# Altium PCB main布局完成.PcbDoc
Units mm, origin at the board's own origin, x right, y up, seen from the top; angles counter-clockwise.
Board outline 55.75 x 28.83 mm, 4 copper layers (Top Layer, GND, POWER, Bottom Layer), stack 0.603 mm thick; 89 components, 72 nets, 344 pads, 9 vias.
Unrouted connection lines stored in the file: 235.
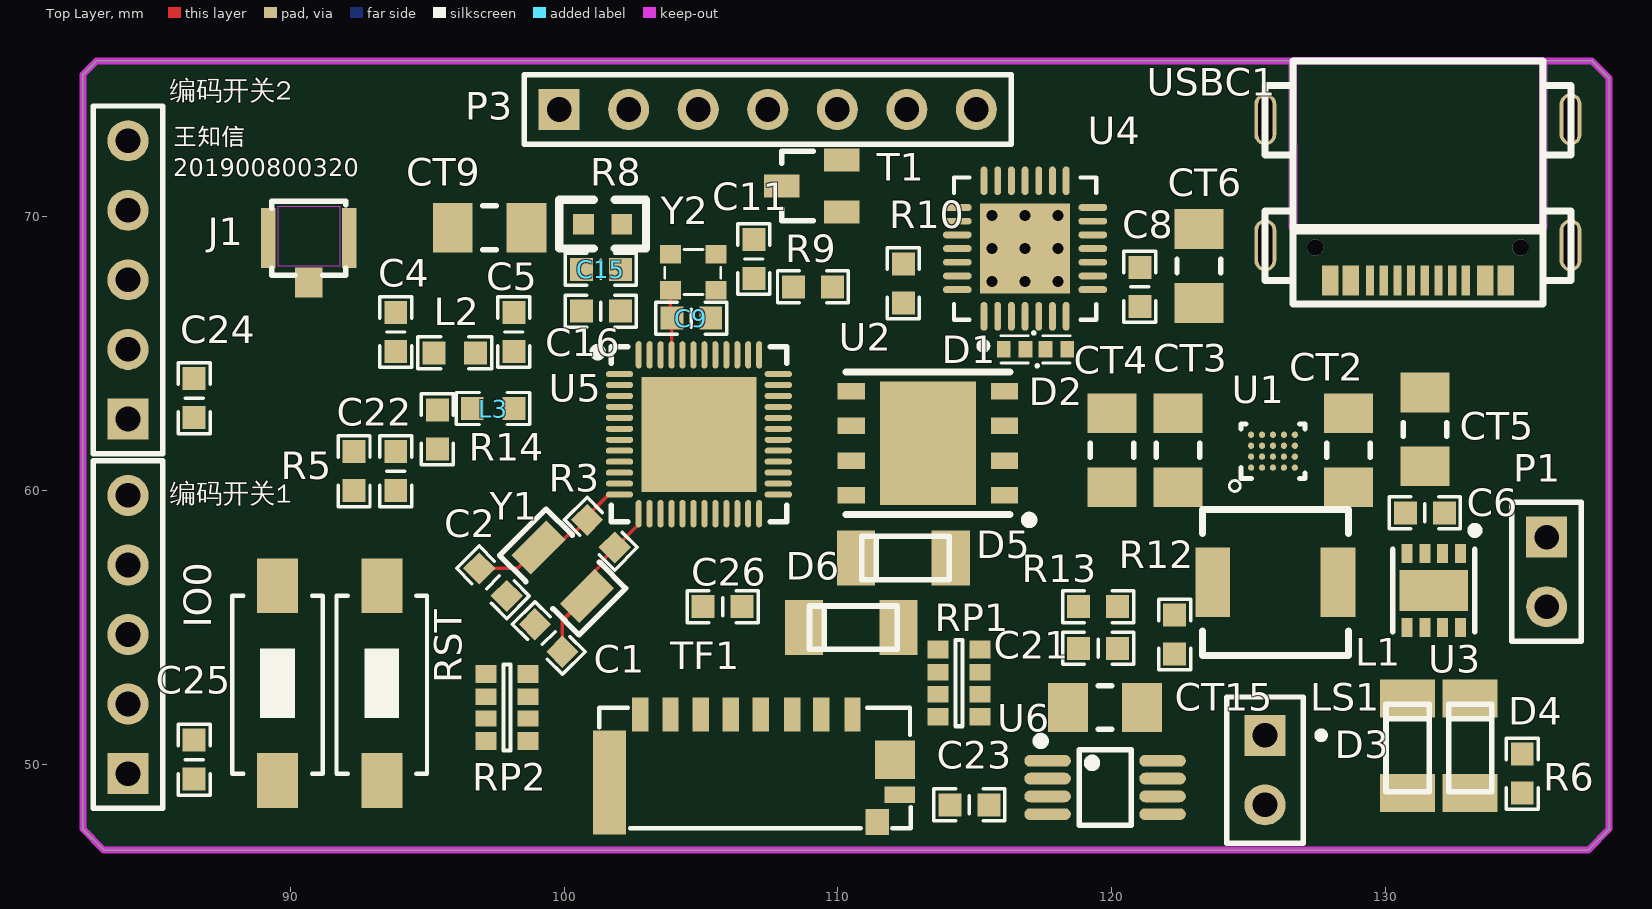
[diagram p0: Top Layer view]
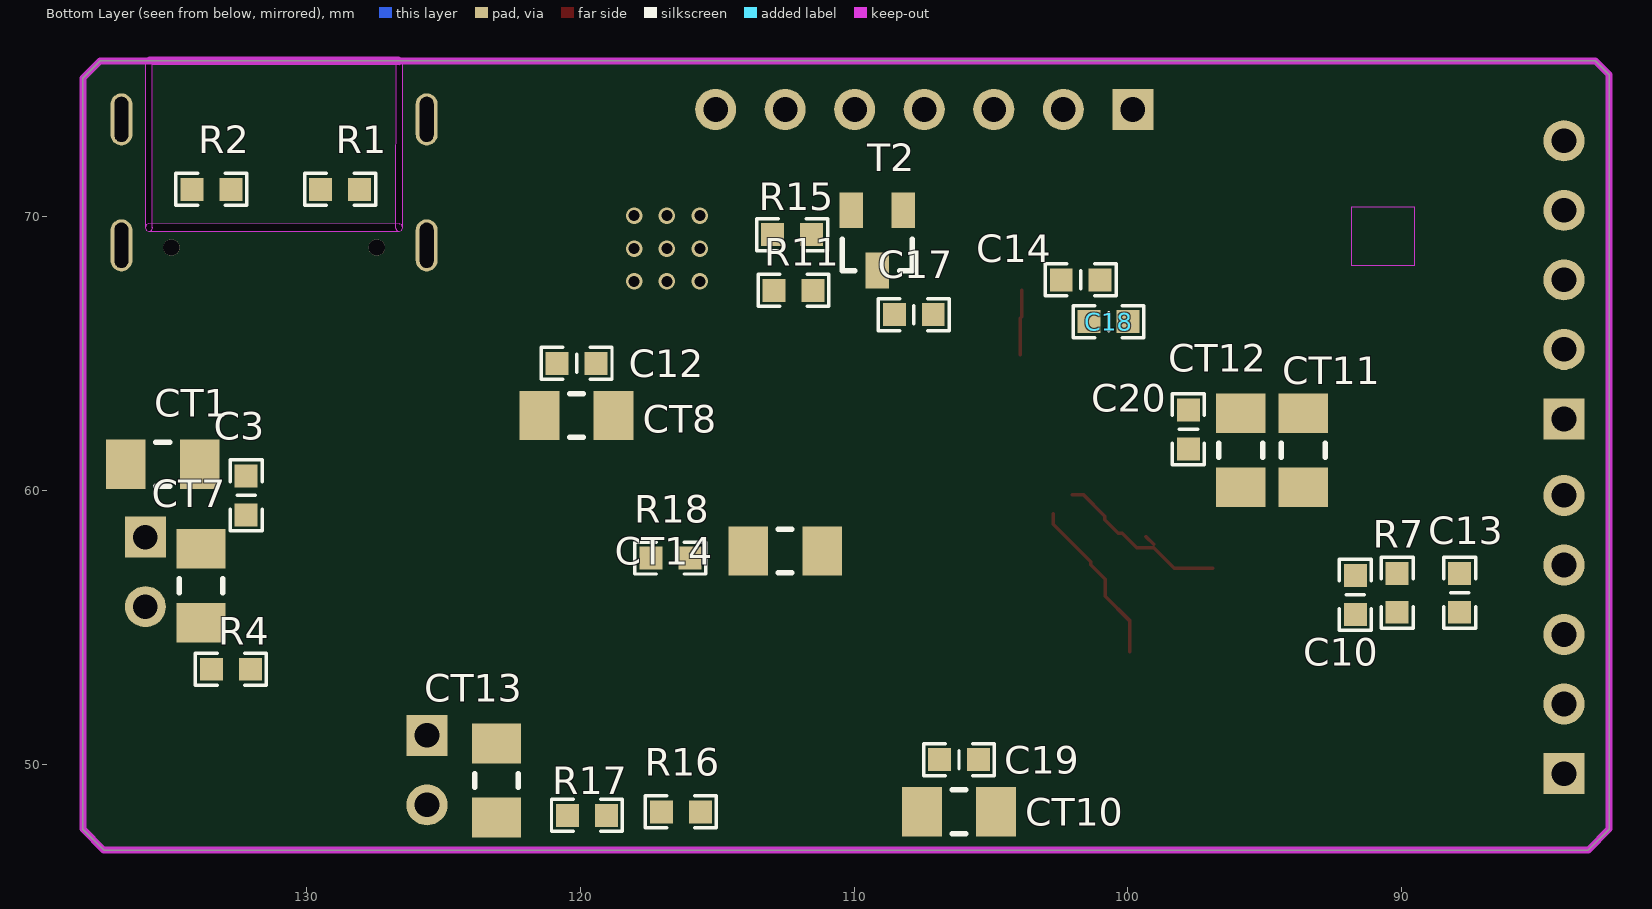
[diagram p1: Bottom Layer view, seen from below]
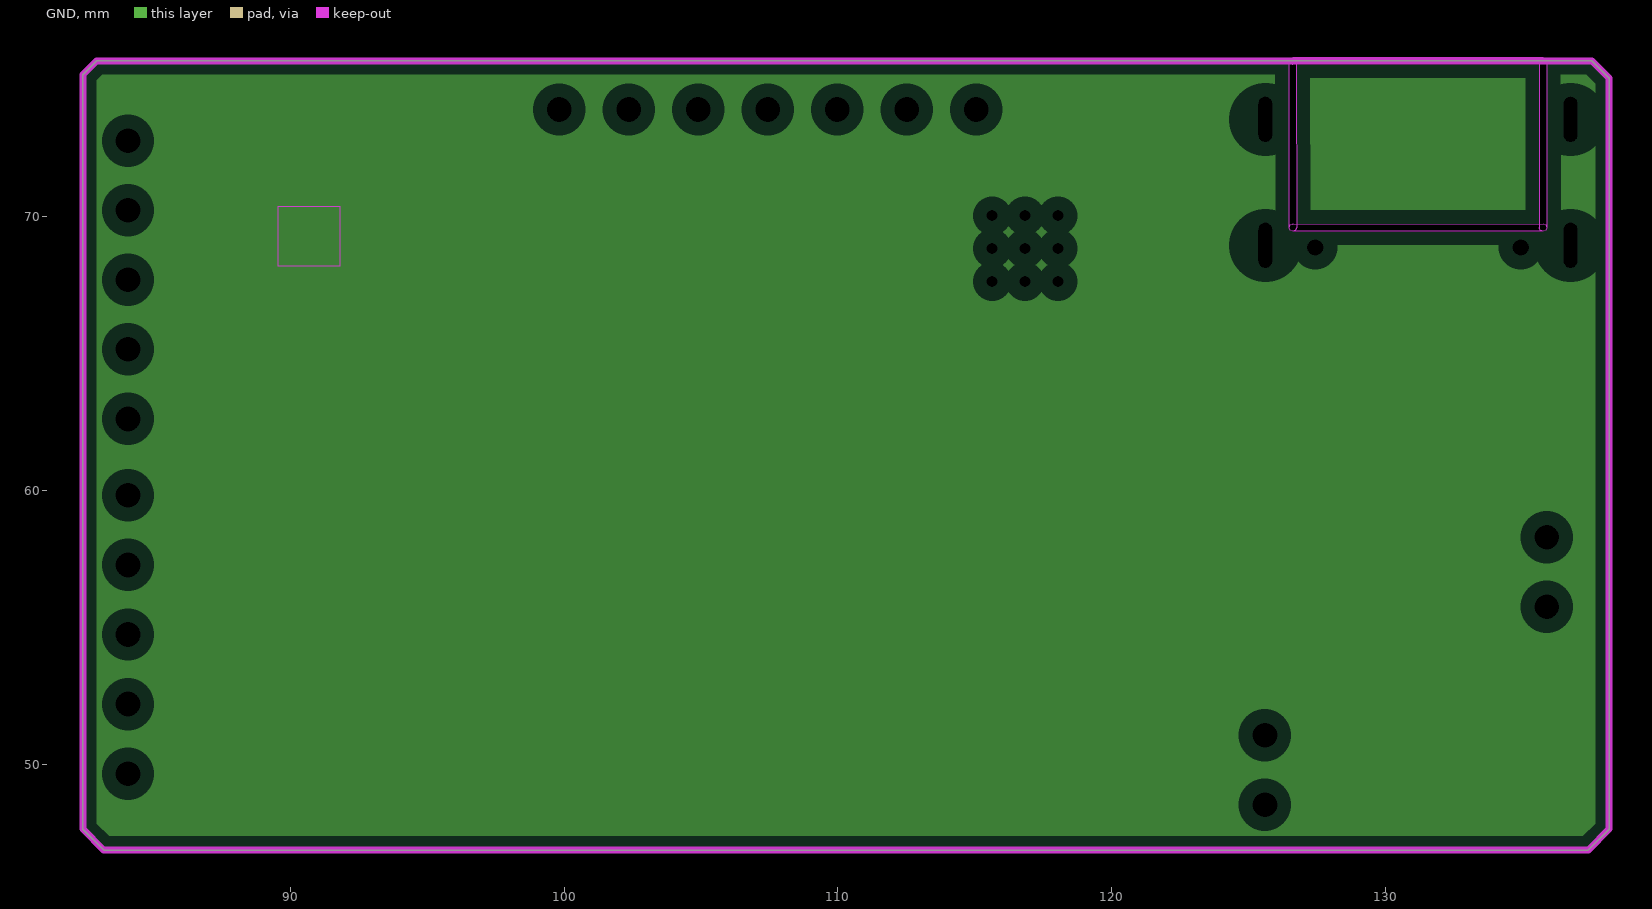
[diagram p2: GND, clearances drawn from the general rule]
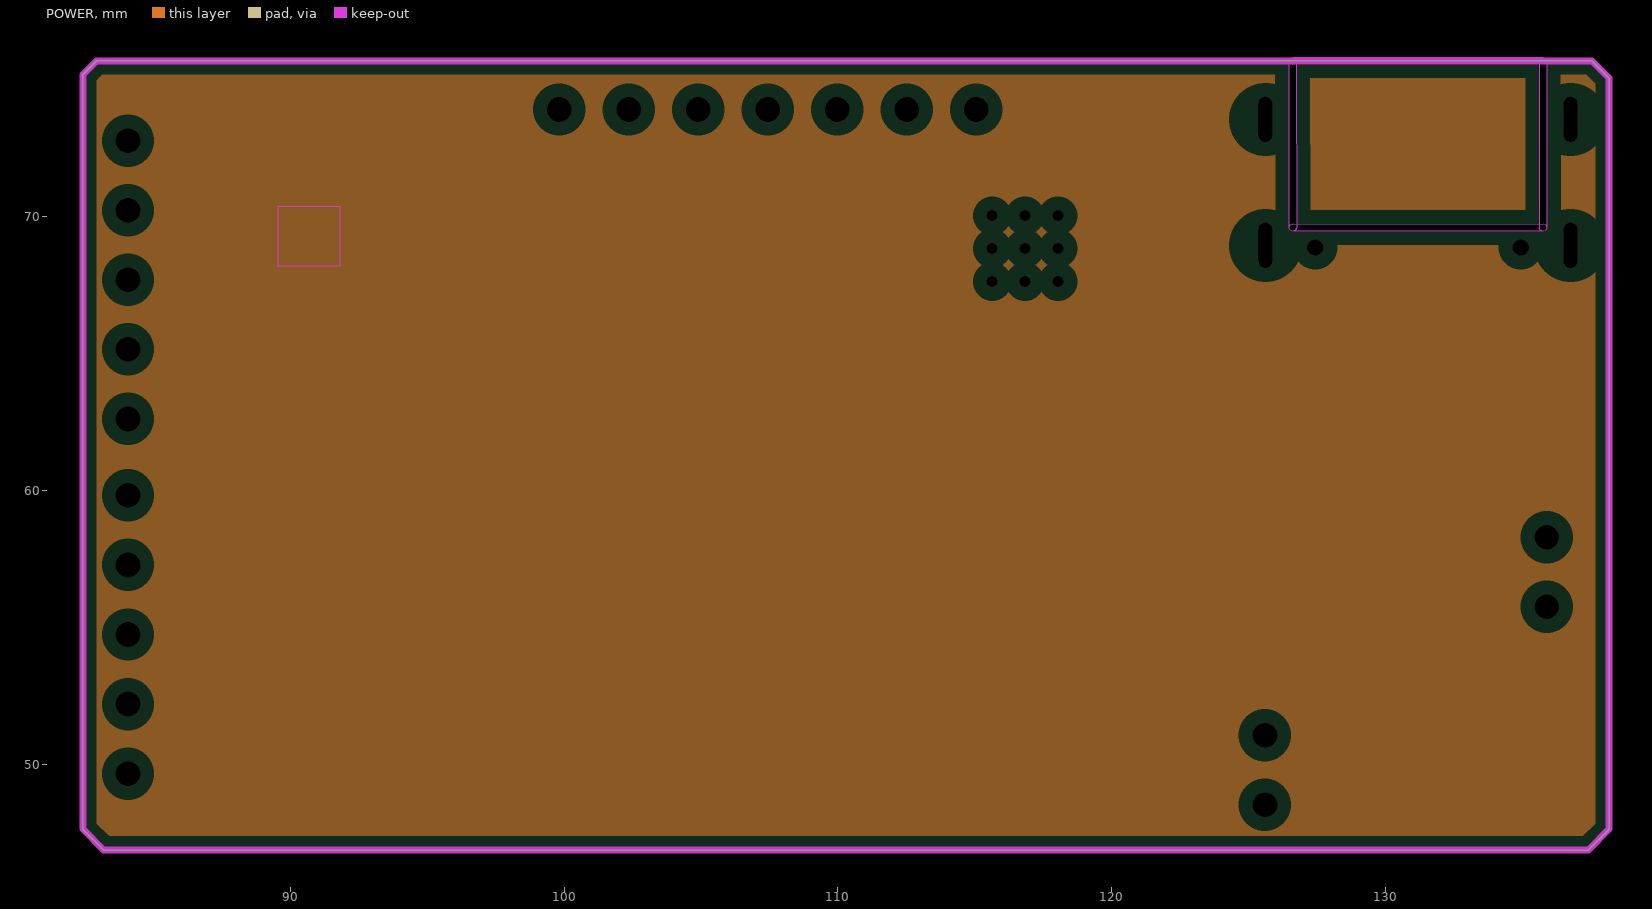
[diagram p3: POWER, clearances drawn from the general rule]

## Layer stack, top to bottom
Top Solder: solder mask 0.0102, Solder Resist, Dk 3.5
Top Layer: signal copper 0.0356
Dielectric 2: prepreg 0.0711, PP-006, Dk 4.1
GND: plane copper 0.035
Dielectric 1: dielectric 0.32, FR-4, Dk 4.8
POWER: plane copper 0.035
Dielectric 3: prepreg 0.0711, PP-006, Dk 4.1
Bottom Layer: signal copper 0.0356
Bottom Solder: solder mask 0.0102, Solder Resist, Dk 3.5

## Board outline
82.423,47.625 82.423,75.184 82.931,75.692 137.541,75.692 138.176,75.057 138.176,47.625 137.414,46.863 83.185,46.863

## Design rules (kind name [scope] priority, off if disabled: settings)
Clearance [All] p1: gap=0.127 ignorepadtopadclearanceinfootprint=FALSE except(0.089: Arc-Arc Arc-Track Track-Track)
PlaneClearance [All] p1: clearance=0.508
PlaneConnect [All] p1: planeconnectstyle=Relief reliefexpansion=0.508 reliefentries=4 reliefconductorwidth=0.254 reliefairgap=0.254
PolygonConnect [All] p1: connectstyle=Relief reliefconductorwidth=0.254 reliefentries=4 polygonreliefangle="90 Angle" airgapwidth=0.254
RoutingTopology RoutingTopology_Power [InNetClass('Power')] p1: topology=Shortest
RoutingTopology [All] p2: topology=Starburst
RoutingVias [All] p1: holewidth=0.3 width=10.6 viastyle="Through Hole" minholewidth=0.2 minwidth=0.4 maxholewidth=0.711 maxwidth=1.27
SolderMaskExpansion [All] p1: expansion=0.102
Width Width_Power [InNetClass('POWER')] p1: maxlimit=1.016 minlimit=0.127 preferedwidth=0.508
Width Width_Signal [InNetClass('Signal')] p2: maxlimit=0.254 minlimit=0.089 preferedwidth=0.127
Width [All] p3: maxlimit=1.27 minlimit=0.089 preferedwidth=0.127
27 further rules are at their usual default settings.

## Classes and differential pairs
net class Signal: 32K_XN 32K_XP AMP_S\H\D\ CS1 CS2 CSPA1 CSPA2 CSPB1 CSPB2 D+ D- DAC_OUT DTR EN FLASH_CLK FLASH_CS FLASH_SD0 FLASH_SD1 FLASH_SD2 FLASH_SD3 IO0 LED1 LED2 LNA_IN NetC4_2 NetC10_2 NetC13_2 NetC15_1 NetC15_2 NetC23_2 NetCT15_1 NetD3_1 NetD3_2 NetD4_2 NetD5_1 NetL1_1 NetL1_2 NetL3_2 NetLS1_1 NetLS1_2 NetR1_2 NetR2_1 NetR4_1 NetR9_1 NetR10_1 NetR11_2 NetR15_2 NetR16_2 OLED_DC OLED_MOSI OLED_RES OLED_SCLK RTS RXD0 TF_C/D TF_CLK TF_CMD TF_D0 TF_D1 TF_D2 TF_D3 TF_POL TXD0 VBAT_DET XTAL_P
net class Power: +3.3 BP_OUT GND VBAT VBUS_5V VDD_RTC VDD_SDIO

## Components (designator, comment, footprint, x,y, rotation, side; value= is the part's Value field where it differs from the comment)
C1 "18pF" C0603 99.441,54.61 r315 top
C2 "18pF" C0603 97.404,56.647 r135 top
C3 "100nF" C0603 132.207,59.817 r90 bottom
C4 "104" C0603 93.853,65.786 r270 top
C5 "104" C0603 98.171,65.786 r270 top
C6 "100nF" C0603 131.445,59.182 r0 top
C8 "100nF" C0603 121.031,67.437 r90 top
C9 "12pF" C0603 104.648,66.294 r180 top
C10 "103" C0603 91.694,56.185 r90 bottom
C11 "100nF" C0603 106.934,68.453 r270 top
C12 "100nF" C0603 120.142,64.643 r0 bottom
C13 "103" C0603 87.884,56.261 r90 bottom
C14 "100nF" C0603 101.727,67.691 r180 bottom
C15 "3.3nF" C0603 101.346,68.072 r180 top
C16 "10nF" C0603 101.346,66.548 r180 top
C17 "100nF" C0603 107.823,66.421 r180 bottom
C18 "100nF" C0603 100.711,66.167 r180 bottom
C19 "100nF" C0603 106.172,50.165 r0 bottom
C20 "100nF" C0603 97.79,62.23 r270 bottom
C21 "100nF" C0603 119.507,54.229 r180 top
C22 "103" C0603 93.853,60.706 r90 top
C23 "390nF" C0603 114.808,48.514 r0 top
C24 "100nF" C0603 86.487,63.373 r270 top
C25 "100nF" C0603 86.487,50.165 r270 top
C26 "100nF" C0603 105.791,55.753 r0 top
CT1 "22uF" C1206 135.255,60.96 r0 bottom
CT2 "10uF" C1206 128.651,61.468 r90 top
CT3 "10uF" C1206 122.428,61.468 r270 top
CT4 "47uF" C1206 120.015,61.468 r270 top
CT5 "10uF" C1206 131.445,62.23 r90 top
CT6 "10uF" C1206 123.19,68.199 r90 top
CT7 "10uF" C1206 133.858,56.515 r270 bottom
CT8 "10uF" C1206 120.142,62.738 r180 bottom
CT9 "10uF" C1206 97.282,69.596 r180 top
CT10 "10uF" C1206 106.172,48.26 r180 bottom
CT11 "10uF" C1206 93.599,61.468 r270 bottom
CT12 "1uF" C1206 95.885,61.468 r270 bottom
CT13 "1uF" C1206 123.063,49.403 r90 bottom
CT14 "1uF" C1206 112.522,57.785 r0 bottom
CT15 "1uF" C1206 119.761,52.07 r0 top
D1 "TPESD5311N" DFN1006-2 116.459,65.151 r270 top
D2 "TPESD5311N" DFN1006-2 117.983,65.151 r90 top
D3 "LED" LED_1206 130.81,50.673 r90 top
D4 "LED" LED_1206 133.096,50.673 r90 top
D5 "LED" LED_1206 112.395,57.531 r180 top
D6 "LED" LED_1206 110.49,54.991 r180 top
IO0 "switch" microswitch 89.535,52.959 r90 top (schematic designator SW2)
J1 "IPEX gen1" "IPEX gen1" 90.678,69.215 r270 top
L1 "1uH" L0520 125.984,56.642 r180 top
L2 "L/A" L0603 96.012,65.024 r0 top
L3 "L/A" L0603 97.409,62.992 r0 top
LS1 "Speaker" PIN2 125.603,51.054 r270 top
P1 "Header 2" HDR1X2 135.89,58.293 r270 top
P3 "OLED" HDR1X7 99.822,73.914 r0 top
R1 "5.1K" R0603 128.778,70.993 r0 bottom
R2 "5.1K" R0603 133.477,70.993 r0 bottom
R3 "6M" R0603 101.346,58.42 r135 top
R4 "1.2K" R0603 132.766,53.467 r0 bottom
R5 "470" R0603 92.329,60.706 r270 top
R6 "1K" R0603 135.001,49.657 r270 top
R7 "470" R0603 90.17,56.261 r270 bottom
R8 "RES" 0603 102.108,69.723 r180 top
R9 "499" R0603 109.093,67.437 r0 top
R10 "470" R0603 112.395,67.564 r270 top
R11 "12K" R0603 112.217,67.31 r180 bottom
R12 "30K" R0603 122.301,54.737 r90 top
R13 "10K" R0603 119.507,55.753 r180 top
R14 "12K" R0603 95.377,62.23 r270 top
R15 "12K" R0603 112.268,69.342 r180 bottom
R16 "20K" R0603 116.332,48.26 r0 bottom
R17 "20K" R0603 119.761,48.133 r0 bottom
R18 "1K" R0603 116.713,57.531 r0 bottom
RP1 "R" RP4 114.427,52.959 r0 top
RP2 "R" RP4 97.917,52.07 r180 top
RST "switch" microswitch 93.345,52.959 r90 top (schematic designator SW1)
T1 "8050" STO-23 -841.926,620.395 r90 top
T2 "8050" STO-23 658.434,-881.845 r0 bottom
TF1 "TF" TF_3 110.538,51.816 r180 top
U1 "TPS63024YFFR" YFF0020AJAF 125.895,61.433 r90 top value=Value
U2 "W25Q128JVPQ" WSON-8_5x6mm 113.29,61.722 r90 top
U3 "TP410x" DFN-8_EP_3x3mm 131.77,56.341 r180 top
U4 "CP2102" QFN-28 116.84,68.834 r90 top
U5 "ESP32-D0WDQ6" QFN-48_6x6x04P 104.928,62.05 r270 top
U6 "BL6281" MSOP-8 119.761,49.149 r270 top
USBC1 "TYPE-C-31-M-14" USB-TYPE-C_20PIN-FEMALE_TYPE-C-31-M-14 131.191,70.612 r180 top
Y1 "32.768 12.5pF" "SMD-3215_2P FC - 135" 99.949,57.023 r135 top
Y2 "30M" SMD-2016-4P 105.549,68.622 r180 top
编码开关1 "CSWITCH1" HDR1X5 84.074,49.657 r90 top (schematic designator P4)
编码开关2 "CSWITCH2" HDR1X5 84.074,62.611 r90 top (schematic designator P2)

## Footprints (in the part's own frame and the unit in brackets; to place one, negate y for a bottom-side part, rotate by r counter-clockwise, add the part's x,y. Pads: shape width x height; smd on the part's side, far side on the other; paste and mask are expansions set on the pad)
0603 [mil]
  rect 30x30 smd: 1(0,0) 2(55,0)
  silkscreen extent -35,-35 90,35
C0603 [mil]
  rect 33x33 smd: 1(-28,0) 2(28,0)
  Top Layer pour cut-out: -12,20 12,20 12,-20 -12,-20
  silkscreen extent -51,-23 51,23, body extent -31,-16 32,15, height 24
C1206 [mm]
  rect 1.45x1.8 smd paste+0 mask+0: 1(-1.35,0) 2(1.35,0)
  silkscreen extent -0.25,-0.8 0.25,0.8, body extent -1.6,-0.82 1.6,0.78, height 1.8
DFN1006-2 [mm]
  rect 0.6x0.5 smd: 1(0,0.4) 2(0,-0.4)
  silkscreen extent -0.65,-0.5 0.5,0.75
DFN-8_EP_3x3mm [mm]
  rect 2.5x1.5 smd mask+0.051: 0(0,0)
  rect 0.4x0.7 smd mask+0.051: 1(-0.975,-1.35) 2(-0.325,-1.35) 3(0.325,-1.35) 4(0.975,-1.35) 5(0.975,1.35) 6(0.325,1.35) 7(-0.325,1.35) 8(-0.975,1.35)
  silkscreen extent -1.63,-2.33 1.5,1.5, body extent -1.5,-1.5 1.5,1.5, height 0.25
HDR1X2 [mm] "Connector; Header; 2 Position"
  rect 1.5x1.5 hole 0.9: 1(0,0)
  round 1.5 hole 0.9: 2(2.54,0)
  silkscreen extent -1.27,-1.27 3.81,1.27
HDR1X5 [mm] "Connector; Header; 5 Position"
  rect 1.5x1.5 hole 0.9: 1(0,0)
  round 1.5 hole 0.9: 2(2.54,0) 3(5.08,0) 4(7.62,0) 5(10.16,0)
  silkscreen extent -1.27,-1.27 11.43,1.27
HDR1X7 [mm] "Connector; Header; 7 Position"
  rect 1.5x1.5 hole 0.9: 1(0,0)
  round 1.5 hole 0.9: 2(2.54,0) 3(5.08,0) 4(7.62,0) 5(10.16,0) 6(12.7,0) 7(15.24,0)
  silkscreen extent -1.27,-1.27 16.51,1.27
"IPEX gen1" [mm]
  rect 1.1x1 smd: 1(1.625,0)
  rect 2.2x0.525 smd: 2(0,1.475) 2(0,-1.475)
  Keep-Out Layer region: -1.143,-1.143 1.016,-1.143 1.016,1.143 -1.143,1.143
  silkscreen extent -1.35,-1.35 1.35,1.35
L0520 [mil] "5.18mm*5.49mm*3mm"
  rect 50x100 smd: 1(-90,0) 2(90,0)
  silkscreen extent -105,-105 105,105, body extent -105,-105 105,105, height 134
L0603 [mil]
  rect 33x33 smd: 1(-30,0) 2(30,0)
  Top Layer pour cut-out: -13,21 13,21 13,-21 -13,-21
  silkscreen extent -53,-23 53,23, body extent -20,-12 20,12, height 20
LED_1206 [mm]
  rect 1.4x2 smd: 1(-1.727,0) 2(1.727,0)
  silkscreen extent -1.68,-0.79 1.52,0.79, body extent -1.65,-0.79 1.55,0.81, height 1.11
microswitch [mm]
  rect 2x1.5 smd: 1(-3.556,0) 2(3.556,0)
  silkscreen extent -3.31,-1.65 3.19,1.65, body extent -4.08,-1.83 3.92,1.87, height 2.5
MSOP-8 [mm]
  oval 0.43x1.7 smd mask+0.051: 1(-0.975,-2.1) 2(-0.325,-2.1) 3(0.325,-2.1) 4(0.975,-2.1) 5(0.975,2.1) 6(0.325,2.1) 7(-0.325,2.1) 8(-0.975,2.1)
  silkscreen extent -1.85,-2.5 1.38,0.95
PIN2 [mm] "Photosensitive Diode; 2 Leads"
  rect 1.5x1.5 hole 0.9: 1(0,0)
  round 1.5 hole 0.9: 2(2.54,0)
  silkscreen extent -1.4,-1.4 3.94,2.18
QFN-28 [mm] "28-Pin Plastic Quad Flat No-Lead 0.5 mm Pitch, IPC Low Density"
  oval 1.05x0.25 smd: 1(-2.475,1.5) 2(-2.475,1) 3(-2.475,0.5) 4(-2.475,0) 5(-2.475,-0.5) 6(-2.475,-1) 7(-2.475,-1.5) 15(2.475,-1.5) 16(2.475,-1) 17(2.475,-0.5) 18(2.475,0) 19(2.475,0.5) 20(2.475,1) 21(2.475,1.5)
  oval 0.25x1.05 smd: 8(-1.5,-2.475) 9(-1,-2.475) 10(-0.5,-2.475) 11(0,-2.475) 12(0.5,-2.475) 13(1,-2.475) 14(1.5,-2.475) 22(1.5,2.475) 23(1,2.475) 24(0.5,2.475) 25(0,2.475) 26(-0.5,2.475) 27(-1,2.475) 28(-1.5,2.475)
  rect 3.3x3.3 smd: 29(0,0)
  silkscreen extent -3.68,-2.6 2.6,2.6, body extent -2.58,-2.58 2.58,2.58, height 1
QFN-48_6x6x04P [mm]
  rect 4.2x4.2 smd mask+0.051: 0(0,0)
  oval 0.22x1 smd mask+0.051: 1(-2.2,-2.9) 2(-1.8,-2.9) 3(-1.4,-2.9) 4(-1,-2.9) 5(-0.6,-2.9) 6(-0.2,-2.9) 7(0.2,-2.9) 8(0.6,-2.9) 9(1,-2.9) 10(1.4,-2.9) 11(1.8,-2.9) 12(2.2,-2.9) 25(2.2,2.9) 26(1.8,2.9) 27(1.4,2.9) 28(1,2.9) 29(0.6,2.9) 30(0.2,2.9) 31(-0.2,2.9) 32(-0.6,2.9) 33(-1,2.9) 34(-1.4,2.9) 35(-1.8,2.9) 36(-2.2,2.9)
  oval 1x0.22 smd mask+0.051: 13(2.9,-2.2) 14(2.9,-1.8) 15(2.9,-1.4) 16(2.9,-1) 17(2.9,-0.6) 18(2.9,-0.2) 19(2.9,0.2) 20(2.9,0.6) 21(2.9,1) 22(2.9,1.4) 23(2.9,1.8) 24(2.9,2.2) 37(-2.9,2.2) 38(-2.9,1.8) 39(-2.9,1.4) 40(-2.9,1) 41(-2.9,0.6) 42(-2.9,0.2) 43(-2.9,-0.2) 44(-2.9,-0.6) 45(-2.9,-1) 46(-2.9,-1.4) 47(-2.9,-1.8) 48(-2.9,-2.2)
  silkscreen extent -3.2,-3.85 3.2,3.2, body extent -3,-3 3,3, height 0.9
R0603 [mil]
  rect 33x33 smd: 1(-28,0) 2(28,0)
  Top Layer pour cut-out: -12,20 12,20 12,-20 -12,-20
  silkscreen extent -51,-23 51,23, body extent -34,-16 28,15, height 18
RP4 [mm] "0603*4排阻"
  rect 0.762x0.65 smd: 1(-0.762,1.225) 4(-0.762,-1.225) 5(0.762,-1.225) 8(0.762,1.225)
  rect 0.762x0.6 smd: 2(-0.762,0.4) 3(-0.762,-0.4) 6(0.762,-0.4) 7(0.762,0.4)
  Top Layer pour cut-out: -0.381,1.651 0.381,1.651 0.381,-1.651 -0.381,-1.651
  silkscreen extent -0.13,-1.57 0.13,1.57
SMD-2016-4P [mm]
  rect 0.775x0.675 smd: 1(0,0) 2(1.663,0) 3(1.663,1.312) 4(0,1.312)
  silkscreen extent -0.18,-0.18 1.87,1.47, body extent -0.17,-0.19 1.87,1.46, height 0.85
"SMD-3215_2P FC - 135" [mm]
  rect 1x1.8 smd: 1(-1.25,0) 2(1.25,0)
  silkscreen extent -2.05,-1.2 2.05,1.2
STO-23 [mm]
  rect 0.85x1.3 smd: 1(-550.225,-952.076) 2(-548.325,-952.076) 3(-549.275,-949.876)
  silkscreen extent -550.55,-951.03 -548,-949.88
TF_3 [mm]
  rect 0.6x1.25 smd: 1(0,0) 2(1.15,0) 3(2.2,0) 4(3.35,0) 5(4.45,0) 6(5.55,0) 7(6.65,0) 8(7.75,0)
  rect 1.2x3.79 smd: 9(8.875,2.48)
  rect 1.45x1.4 smd: 10(-1.55,1.655)
  rect 1.1x0.6 smd: 11(-1.725,2.93)
  rect 0.85x0.95 smd: 12(-0.9,3.93)
  silkscreen extent -2.13,-0.24 9.25,4.16, body extent -2.13,-1.34 9.28,4.16, height 2.8
USB-TYPE-C_20PIN-FEMALE_TYPE-C-31-M-14 [mm]
  rect 0.6x1.1 smd: A1B12(-3.2,2.94) A4B9(-2.45,2.94) B1A12(3.2,2.94) B4A9(2.45,2.94)
  rect 0.3x1.1 smd: A5(-1.249,2.94) A6(-0.251,2.94) A7(0.25,2.94) A8(1.25,2.94) B5(1.75,2.94) B6(0.75,2.94) B7(-0.751,2.94) B8(-1.749,2.94)
  oval 0.8x1.9 hole 0.5 slot 1.65 at 90 deg: S(-5.575,-2.94) S(-5.575,1.66) S(5.575,-2.94) S(5.575,1.66)
  round 0.6 hole 0.6 unplated: ""(-3.75,1.74) ""(3.75,1.74)
  Keep-Out Layer board cut-out: -4.572,1.137 4.572,1.148 4.669,1.107 4.709,1.01 4.669,0.913 4.572,0.873 4.572,0.883 -4.572,0.873 -4.669,0.913 -4.709,1.01 -4.669,1.107 -4.572,1.148
  Keep-Out Layer board cut-out: 4.699,1.01 4.709,-5.079 4.669,-5.176 4.572,-5.216 4.475,-5.176 4.435,-5.079 4.445,-5.079 4.435,1.01 4.475,1.107 4.572,1.148 4.669,1.107 4.709,1.01
  Keep-Out Layer board cut-out: 4.573,-5.206 -4.571,-5.216 -4.668,-5.176 -4.709,-5.079 -4.698,-5.079 -4.709,1.01 -4.668,1.107 -4.571,1.147 -4.474,1.107 -4.434,1.01 -4.444,1.01 -4.444,-4.952 4.573,-4.941 4.67,-4.982 4.71,-5.079 4.67,-5.176 4.573,-5.216
  silkscreen extent -5.59,-5.08 5.59,3.81
WSON-8_5x6mm [mm]
  rect 4.5x3.5 smd: 0(0,0)
  rect 0.6x1 smd: 1(-1.905,-2.8) 2(-0.635,-2.8) 3(0.635,-2.8) 4(1.905,-2.8) 5(1.905,2.8) 6(0.635,2.8) 7(-0.635,2.8) 8(-1.905,2.8)
  silkscreen extent -2.95,-3.85 2.6,3, body extent -2.6,-3 2.5,3, height 0.7
YFF0020AJAF [mm]
  round 0.23 smd paste-0.102 mask+0.038: A1(-0.6,0.8) A2(-0.2,0.8) A3(0.2,0.8) A4(0.6,0.8) B1(-0.6,0.4) B2(-0.2,0.4) B3(0.2,0.4) B4(0.6,0.4) C1(-0.6,0) C2(-0.2,0) C3(0.2,0) C4(0.6,0) D1(-0.6,-0.4) D2(-0.2,-0.4) D3(0.2,-0.4) D4(0.6,-0.4) E1(-0.6,-0.8) E2(-0.2,-0.8) E3(0.2,-0.8) E4(0.6,-0.8)
  silkscreen extent -1.47,-1.17 1,1.6, body extent -0.89,-1.02 0.89,1.02, height 0.25

## Part data
C1 C2 C4 C5 C8 C10 C12 C13 C14 C15 C16 C17 C18 C19 C21 C22 C23 C24 C25: library part Capacitor
C3 C6 C9 C11 C20 C26: library part CAP1
CT1 CT2 CT3 CT4 CT5 CT6 CT7 CT8 CT9 CT10 CT11 CT12 CT13 CT14 CT15: library part "CAP Tantalum"
IO0 RST: library part microswitch, "微动开关"
L1 L2 L3: library part INDUTOR
LS1: "Loudspeaker", LatestRevisionDate=17-Jul-2002, LatestRevisionNote="Re-released for DXP Platform.", PackageReference=PIN2, Published=24-Mar-1999, Publisher="Altium Limited"
P1: "Header, 2-Pin", LatestRevisionDate=17-Jul-2002, LatestRevisionNote="Re-released for DXP Platform.", Publisher="Altium Limited"
P3: library part "Header 7", "Header, 7-Pin", LatestRevisionDate=17-Jul-2002, LatestRevisionNote="Re-released for DXP Platform.", Publisher="Altium Limited"
R1 R2 R3 R4 R5 R6 R7 R9 R10 R11 R12 R13 R14 R15 R16 R17 R18: library part Resistor
R8: "电阻"
RP1 RP2: library part RP4, "Isolated Resistor Network", Code_IPC=SOIC127P600-16, Code_JEDEC=MS-012-AC, LatestRevisionDate=29-May-2009, LatestRevisionNote="IPC-7351 Footprint Added.", PackageDescription="16-Pin Small Outline Integrated Circuit 1.27 mm Pitch", PackageReference=SO-16, Published=24-Mar-1999, Publisher="Altium Limited"
T1 T2: "NPN型三极管"
TF1: library part TF3
U1: "No Description Available", Alternate_PartNumber=TPS63024YFFT, Manufacturer="Texas Instruments", CompType=IC, Copyright="Copyright (C) 2018 Accelerated Designs. All rights reserved", MountType=SMT, PackageReference=YFF0020AJAF, PartNumber=TPS63024YFFR, PIN_COUNT=20, RefDes=RefDes, RoHS=Y, Type=DEV
U4: "USB to TTL"
U6: "国产功放"
Y1: library part XTAL, "Crystal Oscillator"
Y2: library part XTAL-SPXO, "Simple Package Xtal Oscillator"
编码开关1 编码开关2: library part "Header 5", "Header, 5-Pin", LatestRevisionDate=17-Jul-2002, LatestRevisionNote="Re-released for DXP Platform.", Publisher="Altium Limited"

## Via types
v1: diameter 0.6, hole 0.4, Top Layer to Bottom Layer, 9 vias

## Nets (pads, with @x,y where several pads share a name; then routed paths per layer and width w, separated by ;. In a path a pad name is that pad's centre, name@x,y a point inside that pad or via, vN(x,y) a via of type N, cw(c..) or ccw(c..) an arc to the next point about the centre after c; other vN are vias at no path point)
32K_XN: C1.2 R3.1 U5.13 Y1.1 | length 6.2
  Top Layer w0.127: C1.2 99.944,55.25 Y1.1 100.833,56.756 101.366,57.289 101.366,57.397 101.885,57.917 102.728,58.76 U5.13
32K_XP: C2.2 R3.2 U5.12 Y1.2 | length 6.7
  Top Layer w0.127: C2.2 98.308,57.15 Y1.2 99.682,57.907 100.206,58.431 100.351,58.431 R3.2 100.843,59.055 101.638,59.85 U5.12 ; Y1.2@99.065,58.034 Y1.2@99.348,58.317
+3.3: C8.1 C11.2 C14.2 C17.2 C18.1 C19.2 C20.1 CT3.1 CT4.1 CT6.1 CT9.1 CT10.1 CT11.1 CT12.1 CT13.1 L3.1 P3.2 R14.1 R18.1 TF1.4 U1.A1 U1.A2 U1.A3 U1.A4 U4.6 U4.7 U5.1 U5.37 U5.43 U5.46 U6.6 Y2.4 编码开关1.5 编码开关2.5
AMP_S\H\D\: U5.16 U6.1
BP_OUT: C6.2 CT2.1 CT5.1 U1.B4 U1.D4 U1.E1 U1.E2 U1.E3 U1.E4 U3.2 U3.3
CS1: C25.2 U5.8 U5.14 编码开关1.1
CS2: C24.2 编码开关2.1
CSPA1: U5.10 编码开关1.3
CSPA2: U5.6 编码开关2.3
CSPB1: U5.11 编码开关1.2
CSPB2: U5.7 编码开关2.2
D+: D1.1 U4.4 USBC1.A6 USBC1.B6
D-: D2.1 U4.5 USBC1.A7 USBC1.B7
DAC_OUT: C23.1 U5.15
DTR: R11.1 T2.2 U4.28
EN: C22.2 R5.1 R14.2 T1.3 U5.9
FLASH_CLK: U2.6 U5.31
FLASH_CS: U2.1 U5.30
FLASH_SD0: U2.2 U5.32
FLASH_SD1: U2.5 U5.33
FLASH_SD2: U2.7 U5.28
FLASH_SD3: U2.3 U5.29
GND: C1.1 C2.1 C3.2 C4.1 C5.1 C6.1 C8.2 C9.1 C10.1 C11.1 C12.1 C13.1 C14.1 C16.2 C17.1 C18.2 C19.1 C20.2 C21.2 C22.1 C24.1 C25.1 C26.2 CT1.2 CT2.2 CT3.2 CT4.2 CT5.2 CT6.2 CT7.2 CT8.2 CT9.2 CT10.2 CT11.2 CT12.2 CT13.2 CT14.2 CT15.2 D1.2 D2.2 IO0.1 J1.2 P1.2 P3.1 P3.7 R1.1 R2.2 R4.2 R13.2 RP1.5 RP1.6 RP1.7 RP1.8 RP2.5 RP2.6 RP2.7 RP2.8 RST.1 TF1.6 TF1.9 TF1.10 U1.C1 U1.C2 U1.C3 U1.C4 U2.4 U3.8 U4.3 U4.29 U6.7 USBC1.A1B12 USBC1.B1A12 USBC1.S Y2.2 编码开关1.4 编码开关2.4
  other v1: 115.64,67.634 116.84,67.634 118.04,67.634 115.64,68.834 116.84,68.834 118.04,68.834 115.64,70.034 116.84,70.034 118.04,70.034
IO0: R7.1 T2.3 U5.23
LED1: D5.2 U5.27
LED2: D6.2 U5.25
LNA_IN: C5.2 L2.2 U5.2
NetC4_2: C4.2 J1.1 L2.1
NetC10_2: C10.2 R5.2 RST.2
NetC13_2: C13.2 IO0.2 R7.2
NetC15_1: C15.1 C16.1 R8.1 U5.48
NetC15_2: C15.2 R8.2 U5.47
NetC23_2: C23.2 R16.1
NetCT15_1: CT15.1 U6.2 U6.3
NetD3_1: D3.1 D4.1 R6.2
NetD3_2: D3.2 U3.5
NetD4_2: D4.2 U3.6
NetD5_1: D5.1 D6.1 R18.2
NetL1_1: L1.1 U1.D1 U1.D2 U1.D3
NetL1_2: L1.2 U1.B1 U1.B2 U1.B3
NetL3_2: L3.2 U5.3 U5.4
NetLS1_1: LS1.1 U6.8
NetLS1_2: LS1.2 R17.2 U6.5
NetR1_2: R1.2 USBC1.B5
NetR2_1: R2.1 USBC1.A5
NetR4_1: R4.1 U3.7
NetR9_1: R9.1 U5.41
NetR10_1: R10.1 U4.26
NetR11_2: R11.2 T1.1
NetR15_2: R15.2 T2.1
NetR16_2: R16.2 R17.1 U6.4
OLED_DC: P3.6 U5.34
OLED_MOSI: P3.4 U5.36
OLED_RES: P3.5 U5.35
OLED_SCLK: P3.3 U5.38
RTS: R15.1 T1.2 U4.24
RXD0: R10.2 U5.40
TF_C/D: TF1.12 U5.39
TF_CLK: RP1.1 TF1.5 U5.17
TF_CMD: RP1.2 TF1.3 U5.21
TF_D0: RP2.1 TF1.7 U5.22
TF_D1: RP2.2 TF1.8 U5.24
TF_D2: RP1.4 TF1.1 U5.18
TF_D3: RP1.3 TF1.2 U5.20
TF_POL: TF1.11 U5.42
TXD0: R9.2 U4.25
VBAT: CT7.1 P1.1 R12.1 U3.4
VBAT_DET: C21.1 R12.2 R13.1 U5.5
VBUS_5V: C3.1 C12.2 CT1.1 CT8.1 R6.1 U3.1 U4.8 USBC1.A4B9 USBC1.B4A9
VDD_RTC: C26.1 U5.19
VDD_SDIO: CT14.1 U2.8 U5.26
XTAL_P: C9.2 U5.45 Y2.3 | length 2.4
  Top Layer w0.127: Y2.3 103.886,66.345 C9.2 103.928,66.285 U5.45
pads on no net: RP2.3 RP2.4 U2.0 U3.0 U4.1 U4.2 U4.9 U4.10 U4.11 U4.12 U4.13 U4.14 U4.15 U4.16 U4.17 U4.18 U4.19 U4.20 U4.21 U4.22 U4.23 U4.27 U5.0 U5.44 USBC1. USBC1.A8 USBC1.B8 Y2.1

## Polygon pours and split planes (outlines as drawn)
no net on GND (split plane): 135.125,70.249 127.266,70.24 127.258,75.044 135.125,75.053
no net on GND (split plane): 137.666,74.846 137.666,47.836 137.203,47.373 83.396,47.373 82.933,47.836 82.933,74.973 83.142,75.182 125.972,75.182 125.981,69.703 125.981,69.702 125.976,69.656 125.971,69.602 125.976,69.548 125.981,69.502 125.999,69.442 126.01,69.407 126.05,69.309 126.097,69.221 126.142,69.167 126.161,69.144 126.184,69.125 126.238,69.08 126.326,69.033 126.424,68.993 126.471,68.978 126.519,68.964 126.52,68.964 126.569,68.959 126.619,68.954 126.62,68.954 135.662,68.964 135.663,68.964 135.763,68.954 135.785,68.956 135.863,68.964 135.958,68.993 136.056,69.033 136.144,69.08 136.198,69.125 136.221,69.144 136.24,69.167 136.285,69.221 136.332,69.309 136.372,69.407 136.384,69.447 136.401,69.502 136.406,69.553 136.411,69.602 136.41,69.61 136.401,75.182 137.33,75.182
no net on POWER (split plane): 135.125,70.249 127.266,70.24 127.258,75.044 135.125,75.053
no net on POWER (split plane): 137.666,74.846 137.666,47.836 137.203,47.373 83.396,47.373 82.933,47.836 82.933,74.973 83.142,75.182 125.972,75.182 125.981,69.703 125.981,69.702 125.976,69.656 125.971,69.602 125.976,69.548 125.981,69.502 125.999,69.442 126.01,69.407 126.05,69.309 126.097,69.221 126.142,69.167 126.161,69.144 126.184,69.125 126.238,69.08 126.326,69.033 126.424,68.993 126.471,68.978 126.519,68.964 126.52,68.964 126.569,68.959 126.619,68.954 126.62,68.954 135.662,68.964 135.663,68.964 135.763,68.954 135.785,68.956 135.863,68.964 135.958,68.993 136.056,69.033 136.144,69.08 136.198,69.125 136.221,69.144 136.24,69.167 136.285,69.221 136.332,69.309 136.372,69.407 136.384,69.447 136.401,69.502 136.406,69.553 136.411,69.602 136.41,69.61 136.401,75.182 137.33,75.182

## Keep-outs
Keep-Out Layer:
  the board outline again, w0.254

## Silkscreen, mask and mechanical layers (free items; w line width, h text height)
Top Overlay:
  text "王知信" at 85.725,72.39 h1.1
  text "201900800320" at 85.725,71.247 h1.1